# Altium PCB _tracker.PcbDoc (part 1 of 2)
Units mm, origin at the board's own origin, x right, y up, seen from the top; angles counter-clockwise.
Board outline 53 x 30 mm, 4 copper layers (Top Layer, Mid-Layer 1, Mid-Layer 2, Bottom Layer), stack 0.776 mm thick; 83 components, 94 nets, 465 pads, 345 vias.
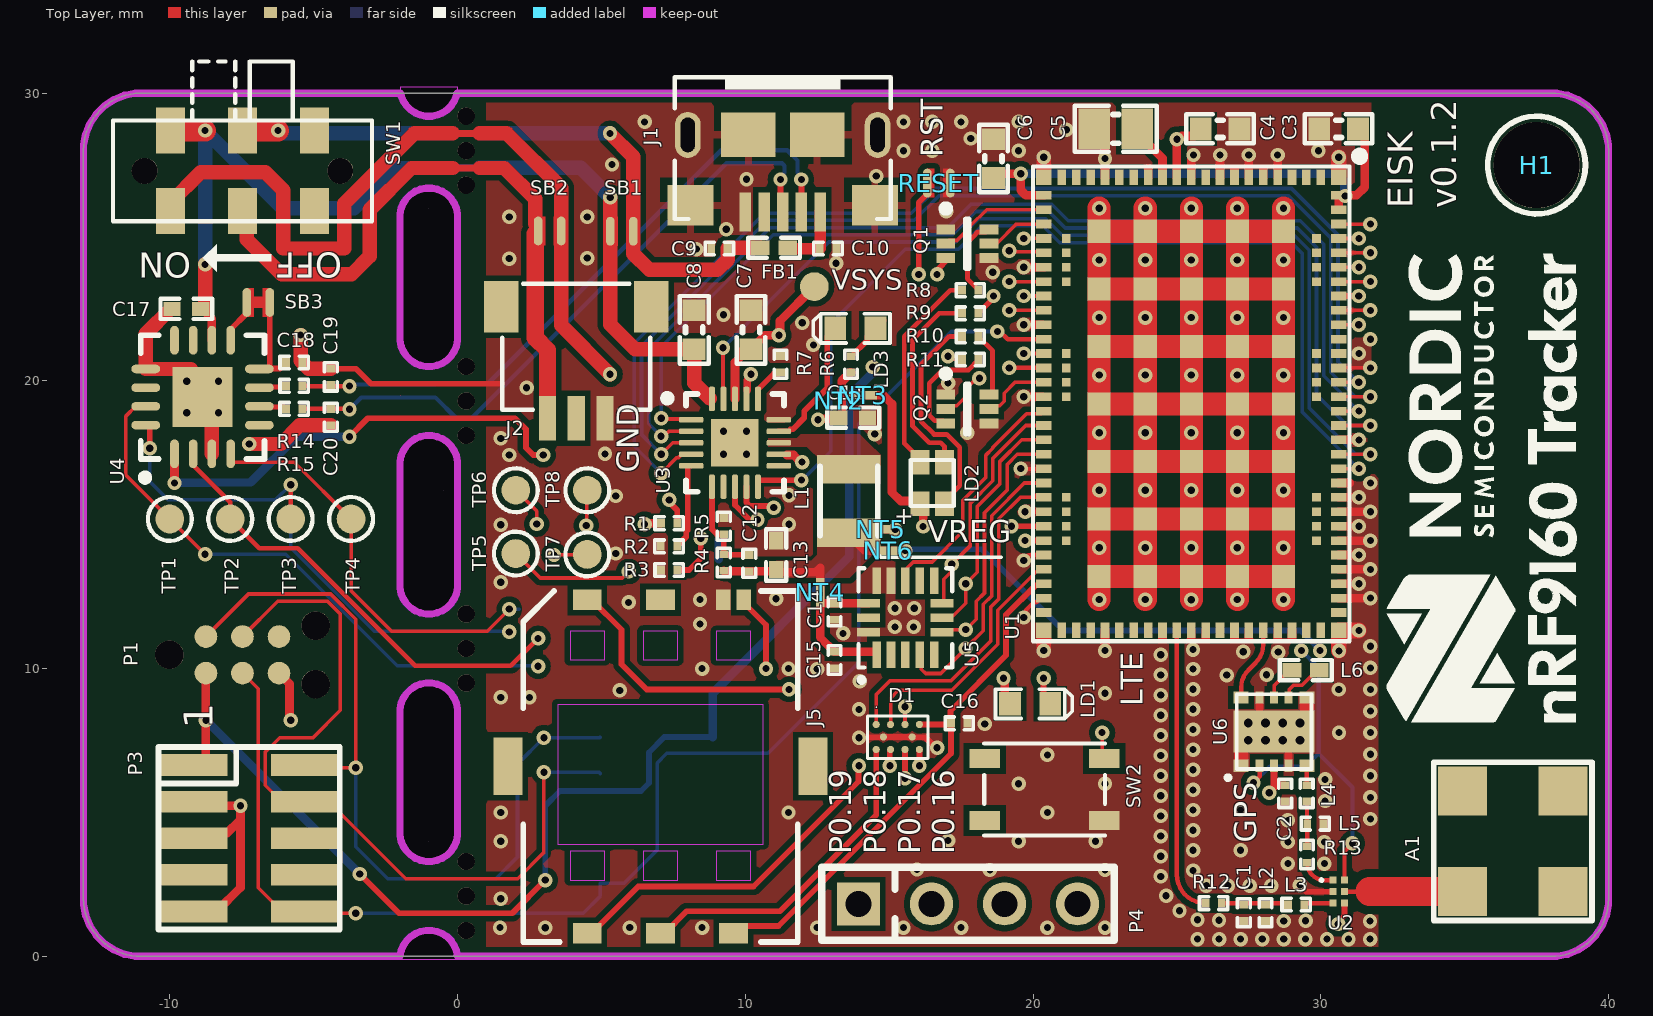
[diagram p0: Top Layer view]
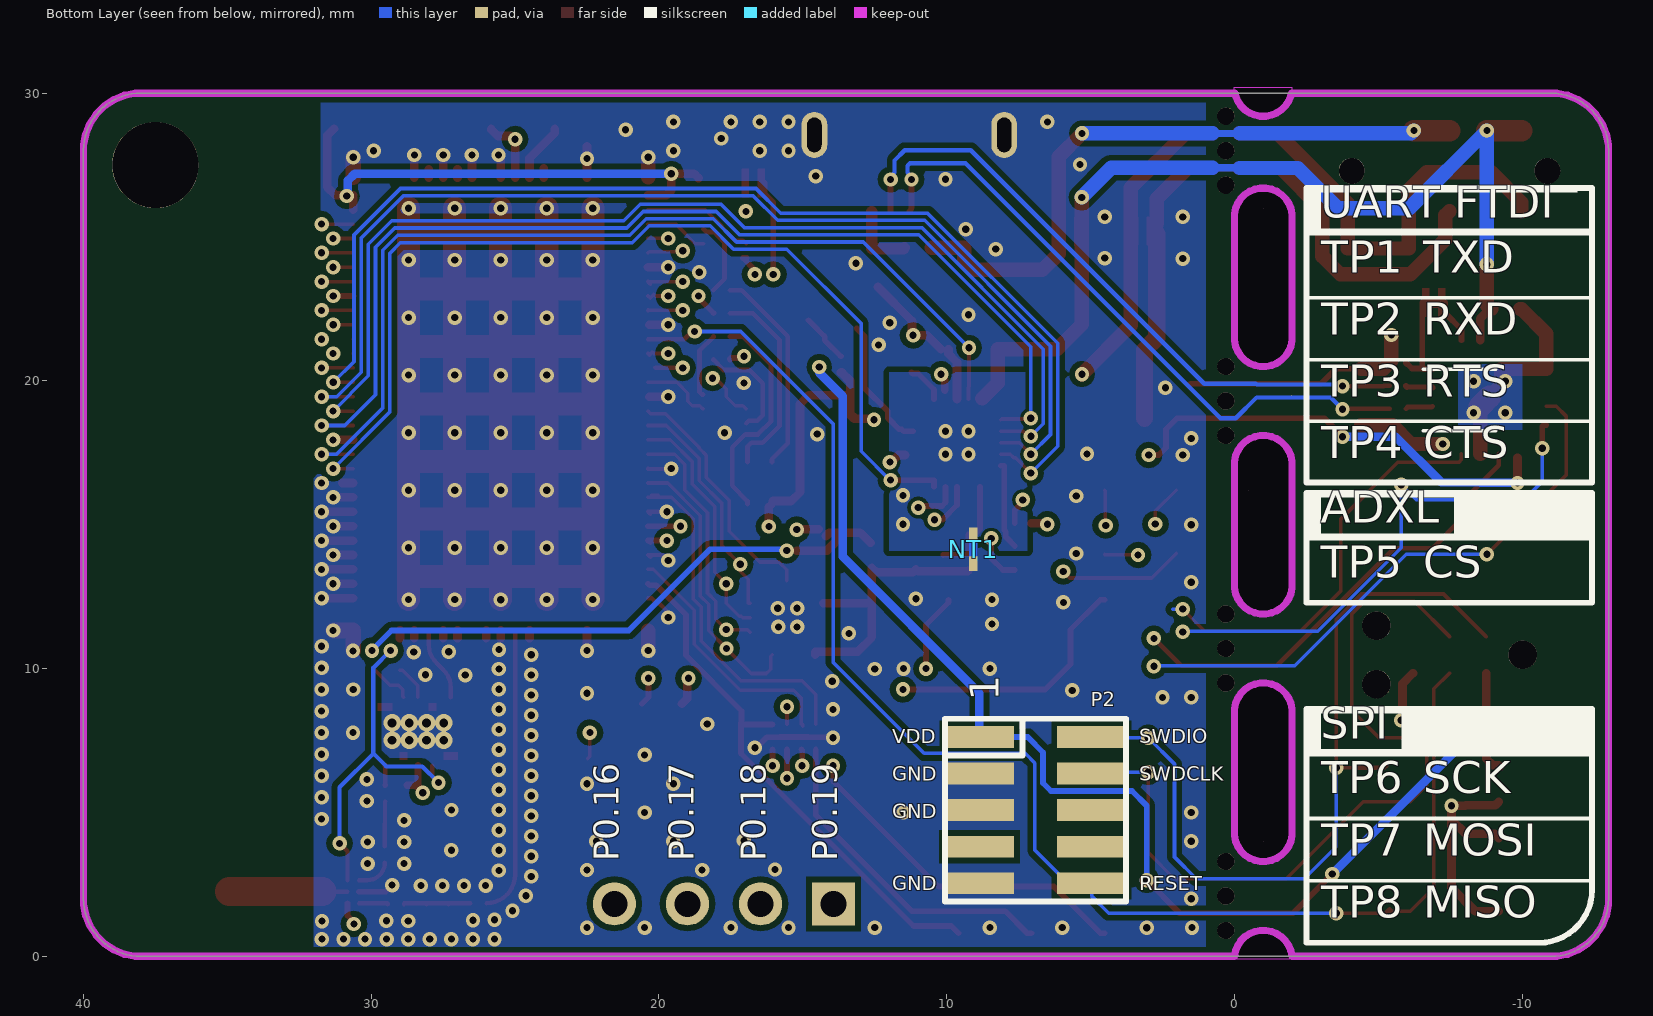
[diagram p1: Bottom Layer view, seen from below]
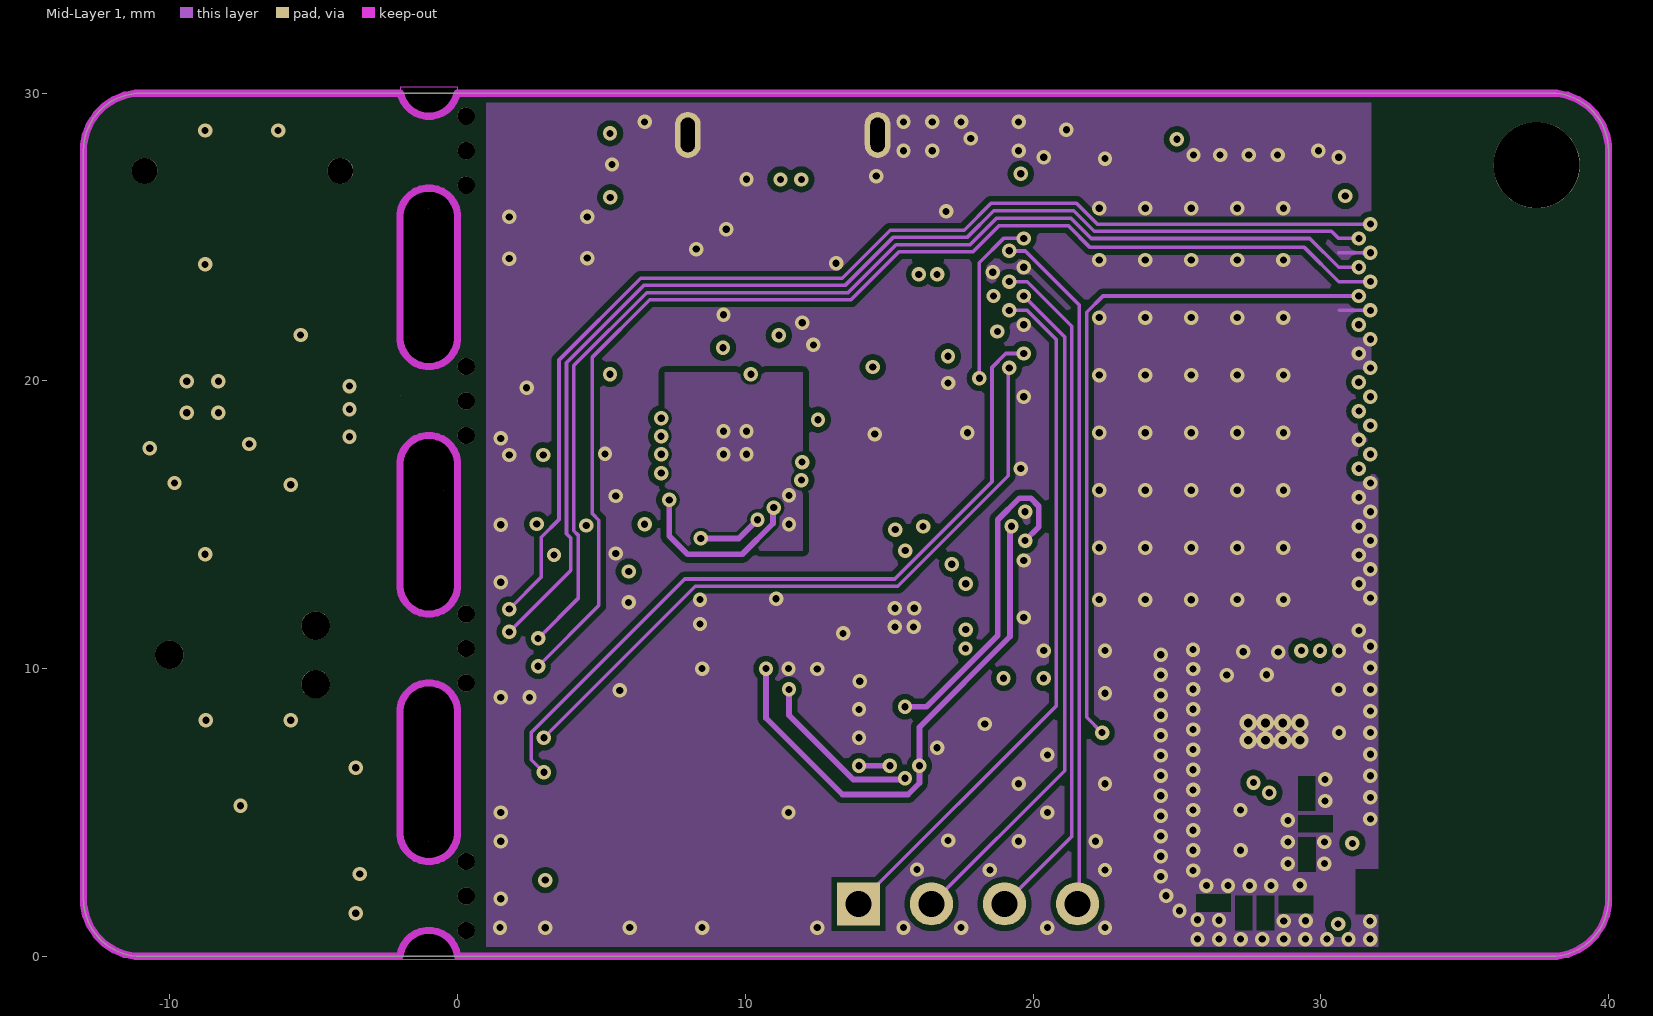
[diagram p2: Mid-Layer 1]
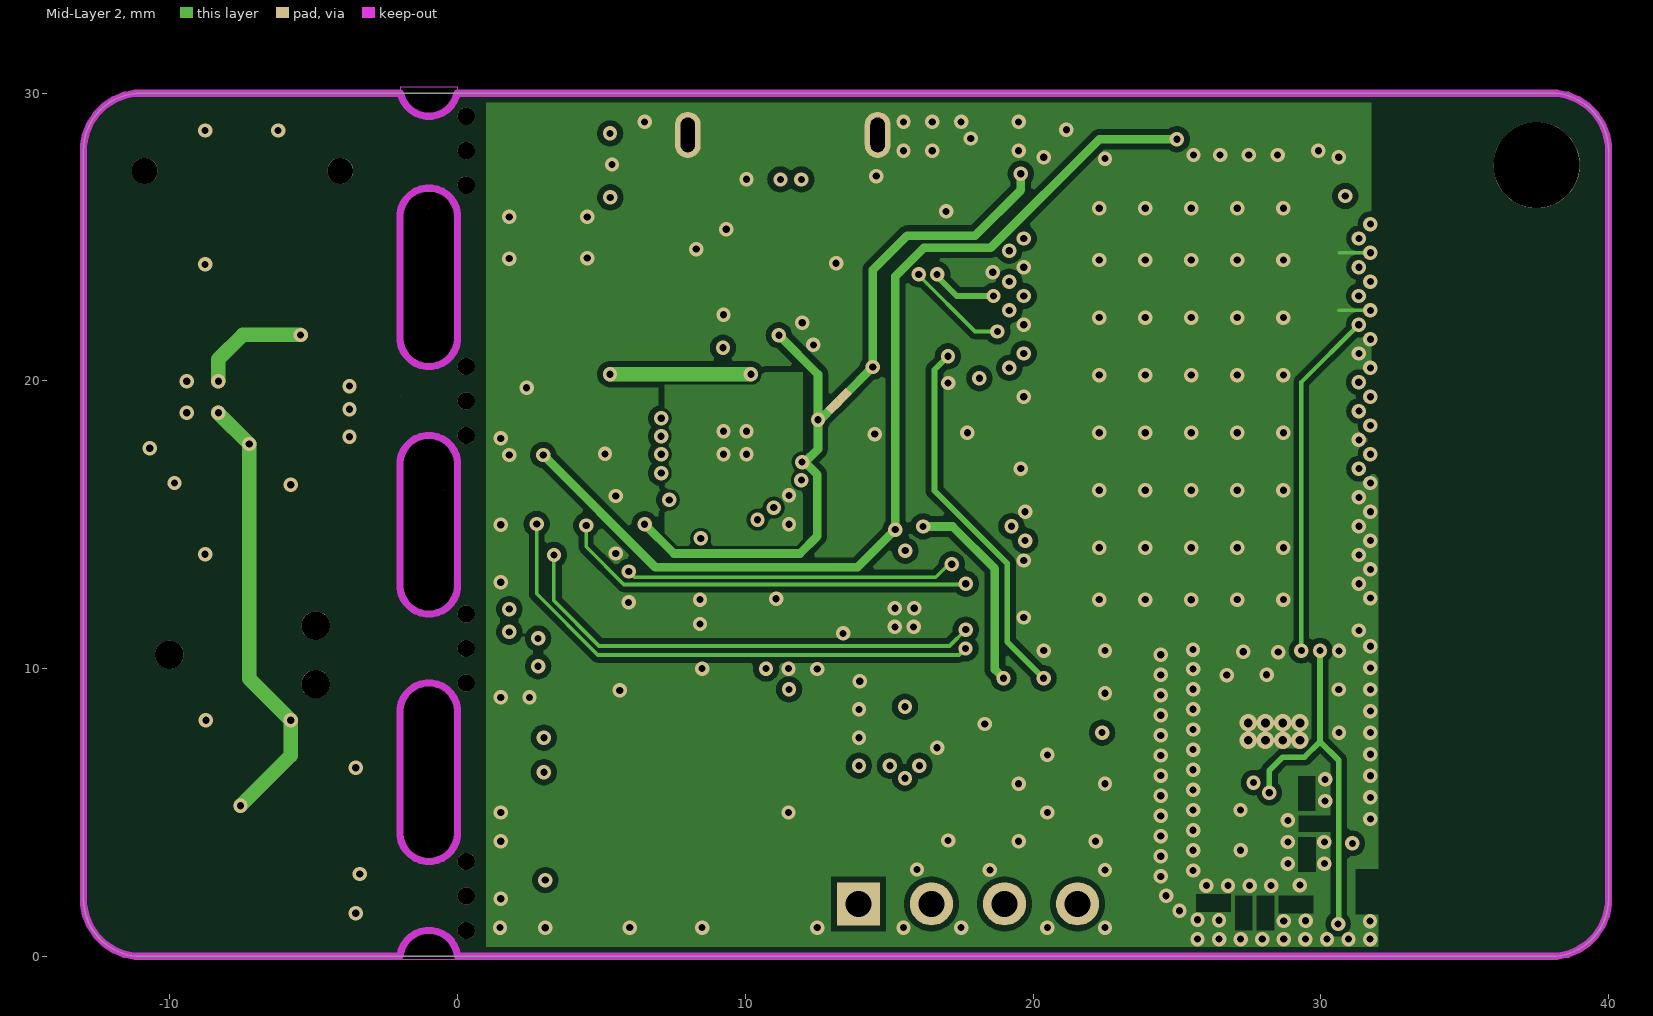
[diagram p3: Mid-Layer 2]
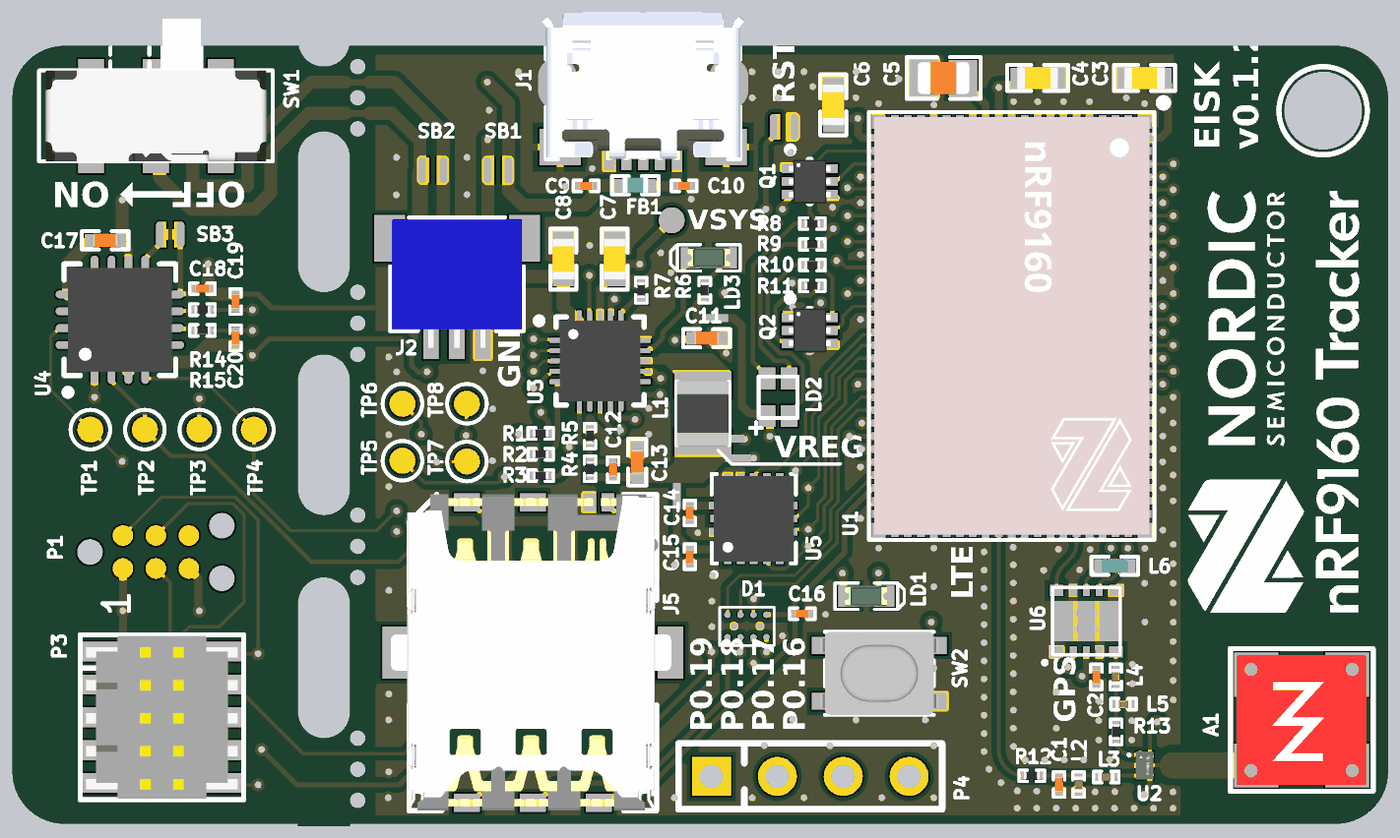
[diagram p5: 3D render of the assembled board from above, using the file's embedded part models]

## Layer stack, top to bottom
Top Solder Mask: solder mask 0.015, Solder Resist, Dk 3.5
Top Layer: signal copper 0.018
Top Prepreg: prepreg 0.07, FR-4, Dk 4.2
Mid-Layer 1: signal copper 0.035
Core: core 0.53, FR-4, Dk 4.5
Mid-Layer 2: signal copper 0.035
Bottom Prepreg: prepreg 0.07, FR-4, Dk 4.2
Bottom Layer: signal copper 0.018
Bottom Solder Mask: solder mask 0.015, Solder Resist, Dk 3.5

## Board outline
-5,0 -11,0 cw(c-11,2) -13,2 -13,28 cw(c-11,28) -11,30 -7,30 30,30 38,30 cw(c38,28) 40,28 40,2 cw(c38,2) 38,0 33,0
cut-out: -2,21.5 -2,25.7 cw(c-1,25.7) -1,26.7 cw(c-1,25.7) 0,25.7 0,21.5 cw(c-1,21.5) -1,20.5 cw(c-1,21.5)
cut-out: -2,30.2 ccw(c-1,30.2) -1,29.2 ccw(c-1,30.2) 0,30.2
cut-out: 0,-0.1 ccw(c-1,-0.1) -1,0.9 ccw(c-1,-0.1) -2,-0.1
cut-out: 0,8.5 0,4.3 cw(c-1,4.3) -1,3.3 cw(c-1,4.3) -2,4.3 -2,8.5 cw(c-1,8.5) -1,9.5 cw(c-1,8.5)
cut-out: 0,17.1 0,12.9 cw(c-1,12.9) -1,11.9 cw(c-1,12.9) -2,12.9 -2,17.1 cw(c-1,17.1) -1,18.1 cw(c-1,17.1)
cut-out: -0.5,16.2
cut-out: -1,4
cut-out: -2,19.5
cut-out: -1,26
cut-out: -1.5,30

## Design rules (kind name [scope] priority, off if disabled: settings)
Clearance Mouse_Bite_Keepout [IsPad and (HoleSize = 0.6) vs OnLayer('Keep-Out Layer')] p1: gap=0 ignorepadtopadclearanceinfootprint=FALSE
Clearance SHORT_clearance [InNamedPolygon('PGND_Top') OR InNamedPolygon('PGND_Mid1') OR InNamedPolygon('PGND_Mid2') OR InNamedPolygon('PGND_Bottom') OR InNamedPolygon('Bottom_Layer-GND') vs HasFootprint('Net_tie_GND')] p2: gap=0.2 ignorepadtopadclearanceinfootprint=TRUE except(0: Arc-Arc Arc-Track Arc-SMDPad Arc-Fill Arc-Poly Arc-Region Track-Track Track-SMDPad Track-Fill Track-Poly Track-Region SMDPad-SMDPad SMDPad-Fill SMDPad-Poly SMDPad-Region Fill-Fill Fill-Poly Fill-Region Poly-Poly Poly-Region Region-Region)
Clearance "NPTH clearance" [Not PadIsPlated And HoleSize > 0] p3: gap=0.25 ignorepadtopadclearanceinfootprint=FALSE except(0: Arc-Arc Arc-Track Arc-THPad Arc-Hole Track-Track Track-THPad Track-Hole SMDPad-Hole THPad-Fill THPad-Poly THPad-Region THPad-Hole Via-Hole Fill-Hole Poly-Hole Region-Hole Text-Hole)
Clearance "Keepout clearance" [All vs OnLayer('Keep-Out Layer')] p4: gap=0.2 ignorepadtopadclearanceinfootprint=FALSE except(0: Arc-Hole Track-Hole SMDPad-Hole THPad-Hole Via-Hole Fill-Hole Poly-Hole Region-Hole Text-Hole)
Clearance USB_Clearance [(InNamedPolygon('Mid_Layer_1-GND')) vs (OnLayer('Mechanical 3'))] p5: gap=2.54 ignorepadtopadclearanceinfootprint=FALSE
Clearance RF_Clearance [InNet('LTE_RF') or InNet('ANT_GPS') or InNet('GPS_RF') or InNet('ANT_LTE') vs (InNamedPolygon('Top_Layer-GND')) or (InNamedPolygon('Bottom_Layer-GND'))] p6: gap=0.2 ignorepadtopadclearanceinfootprint=FALSE
Clearance ANT_Clearance [InNet('RF') vs (InNamedPolygon('Top_Layer-GND')) or (InNamedPolygon('Bottom_Layer-GND'))] p7: gap=0.3 ignorepadtopadclearanceinfootprint=FALSE
Clearance Polygon_Clearance [(InNamedPolygon('Top_Layer-GND')) or (InNamedPolygon('Bottom_Layer-GND')) or (InNamedPolygon('Mid_Layer_1-GND')) or (InNamedPolygon('Mid_Layer_2-GND'))] p8: gap=0.2 ignorepadtopadclearanceinfootprint=FALSE
Clearance SB_Clearance [HasFootprint('Solderbridge')] p9: gap=0.127 ignorepadtopadclearanceinfootprint=FALSE except(0: Arc-Hole Track-Hole SMDPad-Hole THPad-Hole Via-Hole Fill-Hole Poly-Hole Region-Hole Text-Hole)
Clearance [All] p10: gap=0.125 ignorepadtopadclearanceinfootprint=FALSE
ComponentClearance [All] p1 off: gap=0.254 collisioncheckmode=3 verticalgap=0.254 showdistances=FALSE
DiffPairsRouting [All] p1: maxlimit=0.3 minlimit=0.004 mostfreqgap=0.2 toplayer_minwidth=0.15 toplayer_maxwidth=0.2 toplayer_prefwidth=0.15 midlayer1_maxgap=0.25 midlayer1_minwidth=0.15 midlayer1_maxwidth=0.2 midlayer1_prefwidth=0.15 midlayer2_mingap=0.2 midlayer2_maxgap=0.25 midlayer2_minwidth=0.15 midlayer2_maxwidth=0.2 midlayer2_prefwidth=0.15 bottomlayer_mingap=0.2 bottomlayer_minwidth=0.15 bottomlayer_maxwidth=0.2 bottomlayer_prefwidth=0.15 maxuncoupledlength=12.7
FabricationTestPointUsage TestPointUsage [All] p1: valid=0 allowmultiple=FALSE
FabricationTestpoint Testpoint [All] p1: side=3 testpointundercomponent=TRUE minsize=1.016 maxsize=2.54 preferedsize=1.524 minholesize=0 maxholesize=1.016 preferedholesize=0.813 testpointgrid=0.025 allowsidetop=TRUE allowsidebottom=TRUE usegrid=TRUE gridtolerance=0
Height [All] p1 off: minheight=0 maxheight=25.4 prefheight=12.7
HoleSize [All] p1: absolutevalues=TRUE maxlimit=5 minlimit=0.1 maxpercent=80.000 minpercent=20.000
MinimumAnnularRing [All] p1 off: minimumring=0.152
NetAntennae NetAntennae_ANT [InNet('ANT')] p1: netantennaetolerance=40
NetAntennae [All] p2: netantennaetolerance=0
PolygonConnect PolygonConnect_1 [(isVia or isPad) AND (InNet('GND') or InNet('PGND') or InNet('VREG') or InNet('NetL1_1'))] p1: connectstyle=Direct reliefconductorwidth=0.254 reliefentries=4 polygonreliefangle="90 Angle" airgapwidth=0.254
PolygonConnect [All] p2: connectstyle=Relief reliefconductorwidth=0.254 reliefentries=4 polygonreliefangle="90 Angle" airgapwidth=0.254
RoutingVias [All] p1: holewidth=0.15 width=0.35 viastyle="Through Hole" minholewidth=0.1 minwidth=0.25 maxholewidth=0.305 maxwidth=0.61 useviatemplates=TRUE viatemplateguid#1={3EE2AB75-E239-4524-B78D-E634DB61D23F} viatemplatename#1=v50h25m0mx0
ShortCircuit ShortCircuit_GNDs [InNet('PGND') OR InNet('RF_GND') vs InNet('GND')] p1: allowed=TRUE
ShortCircuit ShortCircuit_GNDs_1 [InNet('VDD_ACC') vs InNet('VREG')] p2: allowed=TRUE
ShortCircuit [All] p3: allowed=FALSE
SilkToSolderMaskClearance SilkscreenOverComponentPads [IsPad] p1: minsilkscreentomaskgap=0.254 clearancetoexposedcopper=TRUE
SolderMaskExpansion [All] p1: expansion=0.076 istentingtop=FALSE
UnpouredPolygon [All] p1 off:
Width Width_Diff [(InDifferentialPairClass('All Differential Pairs'))] p1: maxlimit=0.2 minlimit=0.165 preferedwidth=0.165 midlayer1_maxwidth=0.165 midlayer2_maxwidth=0.165 minimp=50.000000 maximp=50.000000 favimp=50.000000
Width [All] p2: maxlimit=10.16 minlimit=0.125 preferedwidth=0.152 minimp=50.000000 maximp=50.000000 favimp=50.000000
20 further rules are at their usual default settings.

## Classes and differential pairs
differential pair class D1: D USBD
differential pair USBD: +USBD_P -USBD_N
differential pair D: +D_P -D_N

## Components (designator, comment, footprint, x,y, rotation, side; value= is the part's Value field where it differs from the comment)
A1 "FR01-S4-250" FRACTUS_CUBE_MXTEND 36.675,4 r270 top
C1 "3pF" CAPC0603X03L_C 27.325,1.515 r270 top
C2 "100nF" CAPC0603X03L_C 28.761,5.663 r270 top
C3 "4.7µF" CAPC1608X06L 30.62,28.762 r180 top
C4 "4.7µF" CAPC1608X06L 26.5,28.762 r0 top
C5 "47µF" CAPC2012X11L 22.876,28.762 r180 top
C6 "4.7µF" CAPC1608X06L 18.626,27.725 r90 top
C7 "10µF" CAPC1608X06L 10.2,21.775 r90 top
C8 "10µF" CAPC1608X06L 8.225,21.775 r90 top
C9 "100nF" CAPC0603X03L_C 9.1,24.6 r180 top
C10 "10nF" CAPC0603X03L_C 12.875,24.6 r0 top
C11 "2.2µF" CAPC1005X04L 13.75,18.725 r0 top
C12 "10pF" CAPC0603X03L_C 10.142,13.663 r90 top
C13 "10µF" CAPC1005X04L 11.07,13.948 r90 top
C14 "100nF" CAPC0603X03L_C 13.1,11.982 r270 top
C15 "100nF" CAPC0603X03L_C 13.1,10.3 r270 top
C16 "1µF" CAPC0603X03L_C 17.435,8.1 r0 top
C17 "4.7µF" CAPC1005X04L -9.425,22.5 r180 top
C18 "100nF" CAPC0603X03L_C -5.68,20.639 r0 top
C19 "47pF" CAPC0603X03L_C -4.405,20.139 r270 top
C20 "47pF" CAPC0603X03L_C -4.405,18.739 r270 top
D1 "CM1402" CM1402 15.3,7.625 r0 top
FB1 "120R/550mA" INDC1005X04L 11,24.625 r180 top
H1 "3mm" HOLE_NP_3MM 37.5,27.5 r0 top
J1 "USB Micro B" USB-MICRO-B-RA-SMD-PIP 11.301,25.875 r270 top locked
J2 "HDR-3, 1mm" SM03B-SRSS-TB 4.125,18.7 r180 top locked
J5 "SIM8055-6-1-14-00-A_revA1" GCT_SIM8055-6-1-14-00-A_REVA1 7.05,6.6 r0 top locked
L1 "10µH" IND1008 13.6,15.825 r270 top locked
L2 "2nH" INDC0603X03L_C 28.078,1.515 r90 top
L3 "8.7nH" INDC0603X03L_C 29.143,1.8 r0 top
L4 "2.8nH" INDC0603X03L_C 29.511,5.663 r270 top
L5 "11nH" INDC0603X03L_C 29.811,4.613 r180 top
L6 "5.1nH" INDC1005X04L_WW 29.475,9.95 r180 top
LD1 "L0603G" LED_0603_G 19.9,8.775 r180 top
LD2 "LED RGB" LED_RGB_0606 16.5,16.45 r0 top
LD3 "L0603G" LED_0603_G 13.825,21.825 r0 top
NT1 "Star point" NET_TIE_GND 9.075,13.9 r90 bottom net-tie
NT2 "Star point" Net_tie_trace#1 13.075,19.125 r45 top net-tie
NT3 "Star point" Net_tie_trace#2 13.825,19.5 r0 top net-tie
NT4 "Star point" Net_tie_trace#2 12.6,12.9 r270 top net-tie
NT5 "Star point" Net_tie_trace#2 14.45,14.847 r0 top net-tie
NT6 "Star point" Net_tie_trace#2 14.71,14.1 r0 top net-tie
P1 "TC2030-CTX-NL" TC2030-IDC-NLFP -7.475,10.479 r0 top
P2 "FTSH-105-01-F-DV-K" HDR_2x5-SMD-1.27mm 6.915,5.081 r270 bottom
P3 "FTSH-105-01-F-DV-K" HDR_2x5-SMD-1.27mm-K -7.242,4.105 r270 top
P4 "Pin List 1x4" LIST_1x4-NC 15.2,1.825 r0 top
Q1 "NX3020NAKV" NX3020NAKV 17.719,24.767 r0 top
Q2 "NX3020NAKV" NX3020NAKV 17.719,19.025 r0 top
R1 "0R" RESC0603X03L_C 7.351,15.053 r0 top
R2 "0R" RESC0603X03L_C 7.35,14.25 r0 top
R3 "0R" RESC0603X03L_C 7.351,13.424 r0 top
R4 "1.5M" RESC0603X03L_C 9.252,13.688 r270 top
R5 "1.2M" RESC0603X03L_C 9.252,14.949 r270 top
R6 "1k" RESC0603X03L_C 13.675,20.575 r90 top
R7 "1k" RESC0603X03L_C 11.222,20.576 r270 top
R8 "170R" RESC0603X03L_C 17.819,23.149 r180 top
R9 "143R" RESC0603X03L_C 17.819,22.346 r180 top
R10 "143R" RESC0603X03L_C 17.819,21.544 r180 top
R11 "1k" RESC0603X03L_C 17.819,20.742 r180 top
R12 "0R" RESC0603X03L_C 26.275,1.85 r0 top
R13 "0R" RESC0603X03L_C 29.525,3.54 r270 top
R14 "23R" RESC0603X03L_C -5.68,19.828 r180 top
R15 "23R" RESC0603X03L_C -5.68,19.028 r180 top
RESET "Solderbridge" Solderbridge 17.125,26.875 r180 top
SB1 "Solderbridge" Solderbridge 6.11,25.2 r180 top
SB2 "Solderbridge" Solderbridge 2.8,25.21 r0 top
SB3 "Solderbridge" Solderbridge_Shorted -7.325,22.725 r0 top net-tie
SW1 "Switch" Switch-Slide-RA-J-Lead-DPDT-8.5x3.5mm -7.475,27.3 r180 top
SW2 "PTS810" BTN_PTS810 20.4,5.8 r180 top
TP1 "Ø1.0mm,SMD" TP_SMD_Ø1.0mm -10,15.2 r270 top
TP2 "Ø1.0mm,SMD" TP_SMD_Ø1.0mm -7.9,15.2 r270 top
TP3 "Ø1.0mm,SMD" TP_SMD_Ø1.0mm -5.8,15.2 r270 top
TP4 "Ø1.0mm,SMD" TP_SMD_Ø1.0mm -3.7,15.2 r270 top
TP5 "Ø1.0mm,SMD" TP_SMD_Ø1.0mm 2.025,14 r180 top
TP6 "Ø1.0mm,SMD" TP_SMD_Ø1.0mm 2.025,16.2 r90 top
TP7 "Ø1.0mm,SMD" TP_SMD_Ø1.0mm 4.51,13.971 r0 top
TP8 "Ø1.0mm,SMD" TP_SMD_Ø1.0mm 4.51,16.198 r0 top
U1 "nRF9160-SICA" LGA50P1600X1050X104-161N 25.5,19.2 r270 top
U2 "BGS12SN6" PG-TSNP-6-2 30.625,2.25 r0 top
U3 "LTC3554" QFN40P300X300X80_HS-21N 9.642,17.847 r0 top locked
U4 "FT230XQ" QFN65P400X400X80_HS-17N -8.862,19.439 r90 top locked
U5 "ADXL362" LGA50P322X300X114-16N 15.562,11.767 r90 top
U6 "SKY65943-11" SKY6594311 28.376,7.813 r90 top
